# Altium PCB STM32最小系统.PcbDoc (part 2 of 4)
Units mil, origin at the board's own origin, x right, y up, seen from the top; angles counter-clockwise.
Board outline 25145 x 22655 mil, 2 copper layers (Top Layer, Bottom Layer); 72 components, 145 nets, 556 pads, 0 vias.
Unrouted connection lines stored in the file: 8.
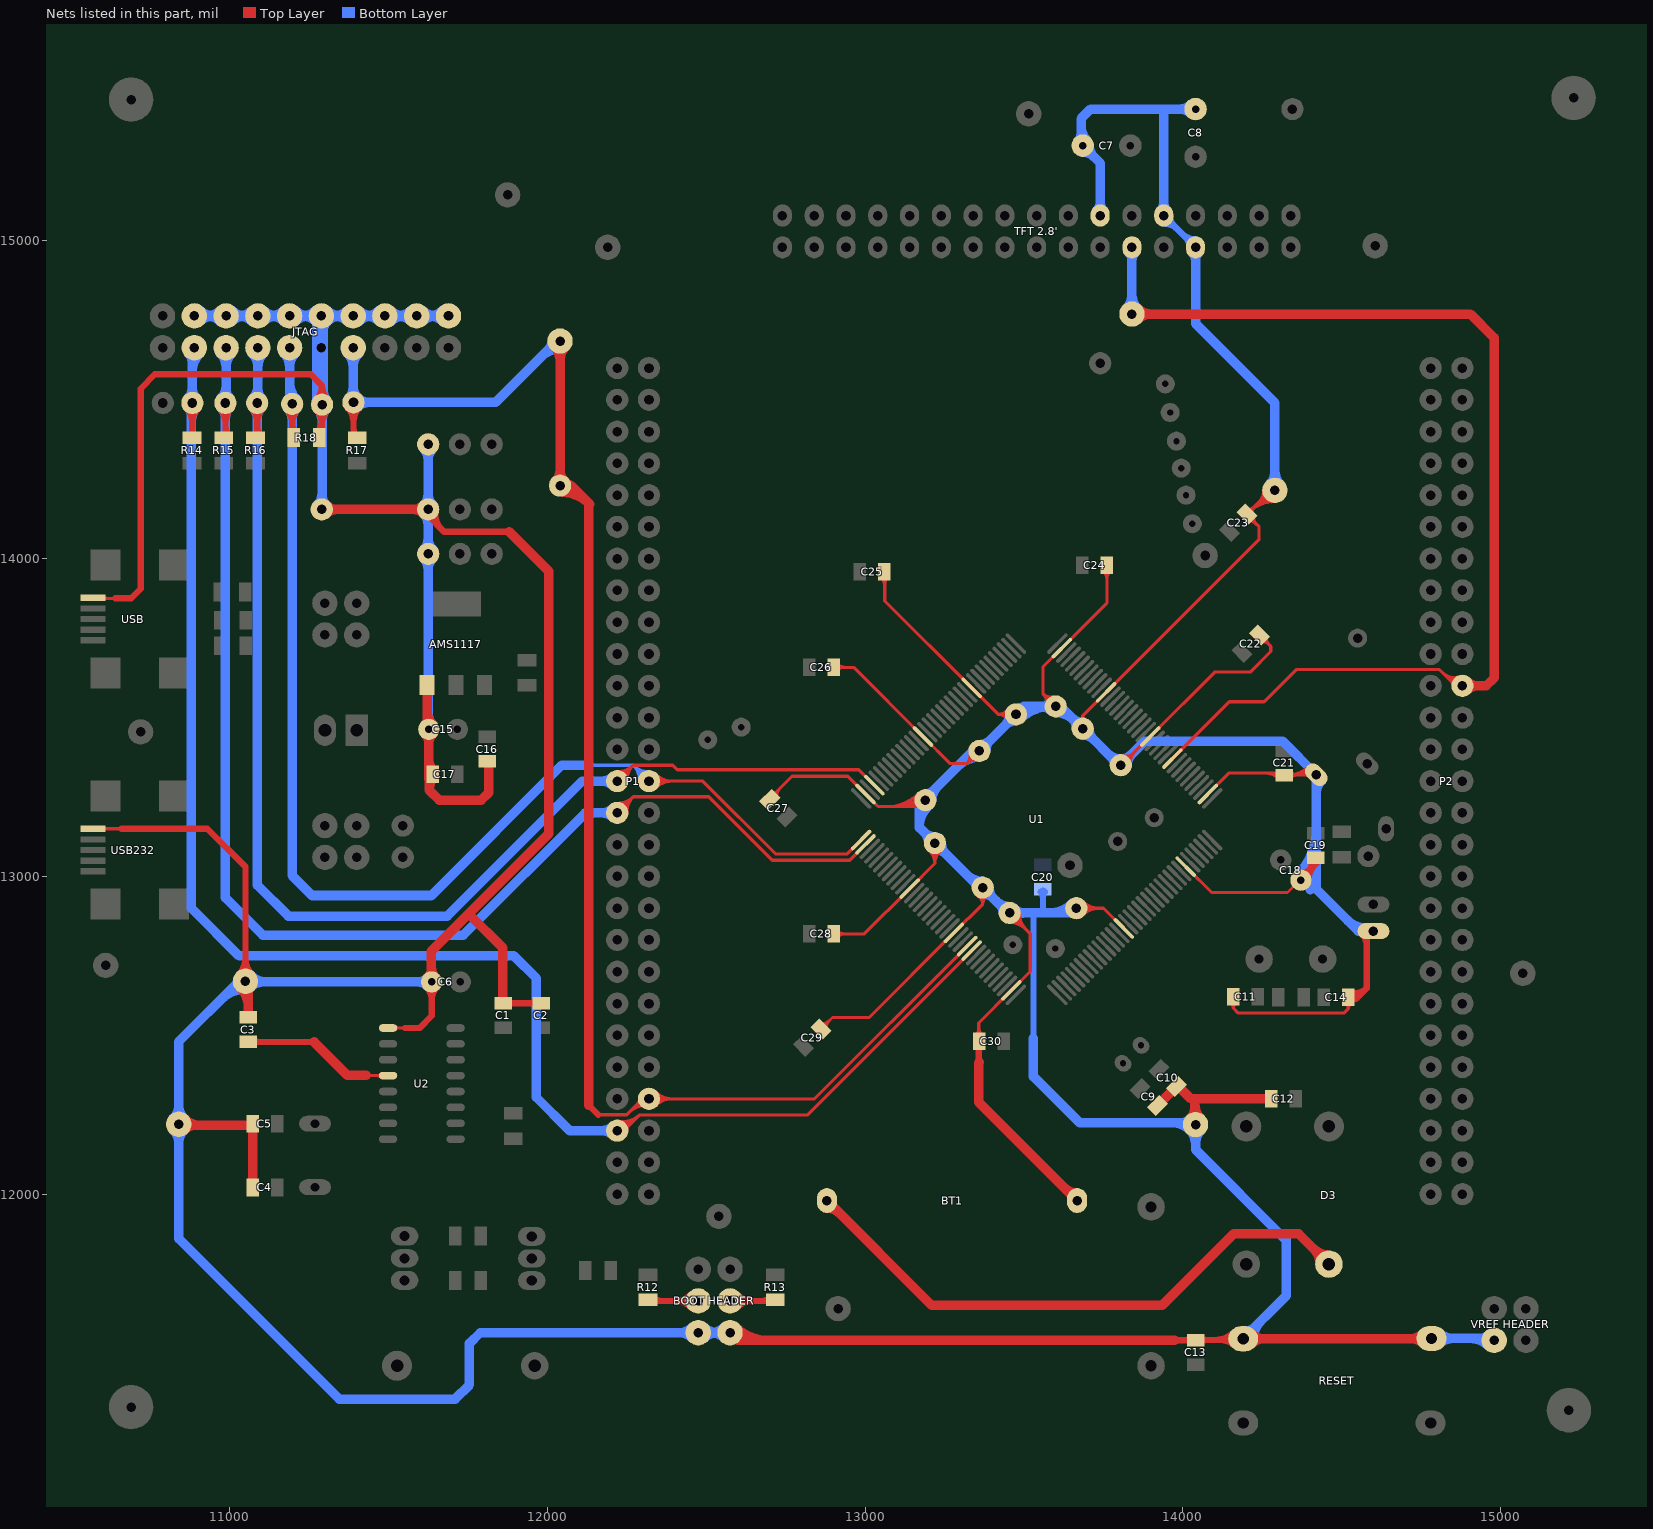
[diagram p2: the nets of this part, all layers, seen from the top]

## Nets (pads, with @x,y where several pads share a name; then routed paths per layer and width w, separated by ;. In a path a pad name is that pad's centre, name@x,y a point inside that pad or via, vN(x,y) a via of type N, cw(c..) or ccw(c..) an arc to the next point about the centre after c; other vN are vias at no path point) (continued)
GND: "BOOT HEADER.5" "BOOT HEADER.6" "TFT 2.8'.22" "TFT 2.8'.26" "TFT 2.8'.27" "VREF HEADER.4" AMS1117.1 BT1.2 C1.1 C2.1 C3.2 C4.2 C5.2 C6.2 C7.1 C8.1 C9.1 C10.1 C11.1 C12.1 C13.1 C14.1 C15.2 C16.1 C17.1 C18.2 C19.1 C20.1 C21.1 C22.1 C23.1 C24.1 C25.1 C26.1 C27.1 C28.1 C29.1 C30.1 JTAG.4 JTAG.6 JTAG.8 JTAG.10 JTAG.12 JTAG.14 JTAG.16 JTAG.18 JTAG.20 pad.4@14600,12828 pad.5@14420,13320 pad.6@11050,12670 pad.6@14040,12219 pad.8@10840,12220 pad.9@14290,14215 pad.10@11625,14015 pad.10@11625,14155 pad.10@11625,14360 pad.12@13360,13395 pad.13 pad.14 pad.15 pad.16 pad.19 pad.20 pad.21 pad.22 pad.23 R18.1 RESET.2 U1.16 U1.30 U1.38 U1.51 U1.61 U1.71 U1.83 U1.94 U1.107 U1.120 U1.130 U1.143 U2.1 USB232.5 USB.5 | length 52783.1
  Top Layer w10: USB232.5@10570,13149.93 10660.07,13149.93 10665,13145 ; USB.5@10600,13875 10640,13875 ; U2.1@11498.7,12523 11553,12523 ; 11597,12523 11600,12520 ; C27.1@12690,13250 12705,13250 12770,13315 12945.66,13315 U1.107@13001.32,13259.34 13040.66,13220 ; C29.1@12861.41,12520 12897.41,12556 13013.44,12556 U1.130@13279.71,12822.27 13370,12912.56 ; C28.1@12901,12819 12998.05,12819 U1.120@13140.51,12961.46 13220,13040.95 ; 13035.33,13225.33 13040.66,13220 ; C25.1@13074,13967.41 13062,13955.41 13062,13866.79 U1.83@13335.38,13593.41 13418.79,13510 ; U1.94@13181.71,13440.29 12964,13658 12921.41,13658 ; U1.94@13182.27,13440.29 13267.56,13355 13320,13355 ; pad.22@13220,13105 13220,13040.95 ; C30.1@13358,12463 13358,12538.66 U1.143@13460.66,12641.32 13520,12700.66 13520,12820 pad.20@13455,12885 ; pad.12@13360,13395 13320,13355 ; pad.21@13370,12965 13370,12912.56 ; pad.13@13475,13510 13418.79,13510 ; pad.14@13600,13535 13560,13575 ; pad.19@13665,12900 13750.4,12900 U1.16@13814.21,12836.19 ; BT1.2@13667,11980 BT1.2@13667.4,11980 ; pad.15@13685,13460 pad.15@13685,13465 13685,13505.95 ; C24.1@13761,13979 13761,13860.34 U1.71@13619.34,13718.68 13560,13659.34 13560,13575 ; pad.16@13787.44,13330 pad.16@13807.44,13350 ; pad.16@13805,13350 pad.16@13807.44,13350 ; 13842.44,13385 13846.22,13388.78 ; C10.1@13982,12341 C10.1@13985,12341 ; U1.30@14014,13025 U1.30@14014,13026 ; U1.30@14017,13023 14090.5,12949.5 14329.5,12949.5 C18.2@14370,12990 ; pad.6@14038,12221 pad.6@14040,12219 ; 14038,12285 14041,12288 ; U1.38@14078.68,13259.34 14144.34,13325 14313,13325 14318,13320 pad.5@14420,13320 14424,13320 pad.5@14425,13321 ; C11.1@14159,12621 14159,12586 ; C23.1@14201.41,14140 14276.41,14215 pad.9@14285,14215 ; C23.1@14207,14133 14240,14100 14240,14060.95 U1.61@13758.53,13579.49 13685,13505.95 ; C22.1@14242,13759 14277,13724 14277,13708 14212,13643 14100.44,13643 U1.51@13897.73,13440.29 13846.22,13388.78 ; C12.1@14273,12300 C12.1@14282,12291 ; C19.1@14421,13041 C19.1@14421,13061 ; 14459,12570 14429,12570 ; C14.1@14521,12619 14521,12584 ; 10611.22,13149.93 cw(c10611.22,13161.62) 10602.95,13153.35 ccw(c10611.22,13161.62) 10611.22,13149.93 ; 10611.22,13149.93 ccw(c10611.22,13138.24) 10602.95,13146.51 cw(c10611.22,13138.24) 10611.22,13149.93 ; 11532.6,12523 cw(c11532.6,12539.9) 11520.65,12527.95 ccw(c11532.6,12539.9) 11532.6,12523 ; 11532.6,12523 ccw(c11532.6,12506.1) 11520.65,12518.05 cw(c11532.6,12506.1) 11532.6,12523 ; 12886.48,12545.07 cw(c12861.41,12570.14) 12861.41,12534.68 ccw(c12861.41,12570.14) 12886.48,12545.07 ; 12886.48,12545.07 ccw(c12911.55,12520) 12876.1,12520 cw(c12911.55,12520) 12886.48,12545.07 ; 12921.41,13658 cw(c12921.41,13664.44) 12915.19,13662.78 ccw(c12921.41,13664.44) 12921.41,13658 ; 12921.41,13658 ccw(c12921.41,13650.62) 12914.58,13653.42 cw(c12921.41,13650.62) 12921.41,13658 ; 12936.45,12819 cw(c12936.45,12854.45) 12911.38,12829.38 ccw(c12936.45,12854.45) 12936.45,12819 ; 12936.45,12819 ccw(c12936.45,12783.55) 12911.38,12808.62 cw(c12936.45,12783.55) 12936.45,12819 ; 13040.66,13220 13170,13220 pad.23@13190,13240 ; pad.23@13190,13240 cw(c13141.72,13288.28) 13141.72,13220 ccw(c13141.72,13288.28) pad.23@13190,13240 ; 13220,13040.96 cw(c13273.36,13040.96) 13239.2,13081.95 ccw(c13273.36,13040.96) 13220,13040.96 ; 13220,13040.96 ccw(c13166.64,13040.96) 13200.8,13081.95 cw(c13166.64,13040.96) 13220,13040.96 ; 13220,13062.3 cw(c13255.57,13062.3) 13232.8,13089.63 ccw(c13255.57,13062.3) 13220,13062.3 ; 13220,13062.3 ccw(c13184.43,13062.3) 13207.2,13089.63 cw(c13184.43,13062.3) 13220,13062.3 ; 13320,13355 cw(c13347.1,13327.9) 13354.34,13365.54 ccw(c13347.1,13327.9) 13320,13355 ; 13320,13355 ccw(c13292.9,13382.1) 13330.54,13389.34 cw(c13292.9,13382.1) 13320,13355 ; 13333.33,13368.33 cw(c13351.4,13350.27) 13356.23,13375.36 ccw(c13351.4,13350.27) 13333.33,13368.33 ; 13333.33,13368.33 ccw(c13315.27,13386.4) 13340.36,13391.23 cw(c13315.27,13386.4) 13333.33,13368.33 ; 13370,12912.57 cw(c13400.82,12912.57) 13385.2,12939.14 ccw(c13400.82,12912.57) 13370,12912.57 ; 13370,12912.57 ccw(c13339.18,12912.57) 13354.8,12939.14 cw(c13339.18,12912.57) 13370,12912.57 ; 13418.79,13510 cw(c13418.79,13472.35) 13450.08,13493.3 ccw(c13418.79,13472.35) 13418.79,13510 ; 13418.79,13510 ccw(c13418.79,13547.65) 13450.08,13526.7 cw(c13418.79,13547.65) 13418.79,13510 ; 13437.53,13510 cw(c13437.53,13484.9) 13458.38,13498.87 ccw(c13437.53,13484.9) 13437.53,13510 ; 13437.53,13510 ccw(c13437.53,13535.1) 13458.38,13521.13 cw(c13437.53,13535.1) 13437.53,13510 ; 13489.14,12850.86 cw(c13523.28,12885) 13475,12885 ccw(c13523.28,12885) 13489.14,12850.86 ; 13489.14,12850.86 ccw(c13455,12816.72) 13455,12865 cw(c13455,12816.72) 13489.14,12850.86 ; 13506.21,12833.79 cw(c13557.43,12885) 13485,12885 ccw(c13557.43,12885) 13506.21,12833.79 ; 13506.21,12833.79 ccw(c13455,12782.57) 13455,12855 cw(c13455,12782.57) 13506.21,12833.79 ; 13560,13575 cw(c13532.9,13547.9) 13570.54,13540.66 ccw(c13532.9,13547.9) 13560,13575 ; 13560,13575 ccw(c13587.1,13602.1) 13594.34,13564.46 cw(c13587.1,13602.1) 13560,13575 ; 13573.33,13561.67 cw(c13555.27,13543.6) 13580.36,13538.77 ccw(c13555.27,13543.6) 13573.33,13561.67 ; 13573.33,13561.67 ccw(c13591.4,13579.73) 13596.23,13554.64 cw(c13591.4,13579.73) 13573.33,13561.67 ; 13685,13505.95 cw(c13672.05,13505.95) 13675.95,13493.6 ccw(c13672.05,13505.95) 13685,13505.95 ; 13685,13505.95 ccw(c13697.95,13505.95) 13694.05,13493.6 cw(c13697.95,13505.95) 13685,13505.95 ; 13713.28,12900 cw(c13713.28,12948.28) 13679.14,12914.14 ccw(c13713.28,12948.28) 13713.28,12900 ; 13713.28,12900 ccw(c13713.28,12851.72) 13679.14,12885.86 cw(c13713.28,12851.72) 13713.28,12900 ; 13737.43,12900 cw(c13737.43,12972.43) 13686.21,12921.21 ccw(c13737.43,12972.43) 13737.43,12900 ; 13737.43,12900 ccw(c13737.43,12827.57) 13686.21,12878.79 cw(c13737.43,12827.57) 13737.43,12900 ; 13761,13935.67 cw(c13796.45,13935.67) 13771.38,13960.74 ccw(c13796.45,13935.67) 13761,13935.67 ; 13761,13935.67 ccw(c13725.55,13935.67) 13750.62,13960.74 cw(c13725.55,13935.67) 13761,13935.67 ; pad.16@13807.44,13350 13846.22,13388.78 ; 13846.22,13388.78 cw(c13820.55,13414.44) 13812.04,13379.16 ccw(c13820.55,13414.44) 13846.22,13388.78 ; 13846.22,13388.78 ccw(c13875.01,13359.99) 13834.7,13354.24 cw(c13875.01,13359.99) 13846.22,13388.78 ; 14159,12586 cw(c14176.71,12586) 14167.03,12600.83 ccw(c14176.71,12586) 14159,12586 ; 14159,12586 ccw(c14141.29,12586) 14150.97,12600.83 cw(c14141.29,12586) 14159,12586 ; 14159,12586 14175,12570 14429,12570 ; 14226.48,14165.07 cw(c14201.41,14190.14) 14201.41,14154.68 ccw(c14201.41,14190.14) 14226.48,14165.07 ; 14226.48,14165.07 ccw(c14251.55,14140) 14216.1,14140 cw(c14251.55,14140) 14226.48,14165.07 ; 14429,12570 14507,12570 14521,12584 ; 14521,12584 cw(c14538.71,12584) 14529.03,12598.83 ccw(c14538.71,12584) 14521,12584 ; 14521,12584 ccw(c14503.29,12584) 14512.97,12598.83 cw(c14503.29,12584) 14521,12584 ; USB.5@10602.95,13880.35 ccw(c10615.88,13893.28) 10615.88,13875 cw(c10615.88,13893.28) USB.5@10602.95,13880.35 ; C27.1@12705.57,13261.67 ccw(c12705.57,13288.46) 12724.52,13269.52 cw(c12705.57,13288.46) C27.1@12705.57,13261.67 ; C27.1@12720.25,13246.98 cw(c12764.36,13246.98) 12733.17,13278.17 ccw(c12764.36,13246.98) C27.1@12720.25,13246.98 ; C26.1@12911.38,13648.62 cw(c12934.04,13625.96) 12934.04,13658 ccw(c12934.04,13625.96) C26.1@12911.38,13648.62 ; C26.1@12911.38,13669.38 ccw(c12938.87,13696.87) 12938.87,13658 cw(c12938.87,13696.87) C26.1@12911.38,13669.38 ; C25.1@13050.62,13940.74 cw(c13023.13,13913.26) 13062,13913.26 ccw(c13023.13,13913.26) C25.1@13050.62,13940.74 ; 13062,13918.09 cw(c13094.04,13918.09) 13071.38,13940.74 ccw(c13094.04,13918.09) 13062,13918.09 ; 13069.29,13220 ccw(c13069.29,13360.71) 13168.79,13261.21 cw(c13069.29,13360.71) 13069.29,13220 ; 13093.43,13220 ccw(c13093.43,13336.57) 13175.86,13254.14 cw(c13093.43,13336.57) 13093.43,13220 ; 13117.57,13220 ccw(c13117.57,13312.43) 13182.93,13247.07 cw(c13117.57,13312.43) 13117.57,13220 ; C30.1@13348.62,12499.26 ccw(c13325.96,12521.91) 13358,12521.91 cw(c13325.96,12521.91) C30.1@13348.62,12499.26 ; 13358,12526.74 ccw(c13396.87,12526.74) 13369.38,12499.26 cw(c13396.87,12526.74) 13358,12526.74 ; pad.16@13809.69,13369.44 ccw(c13815.65,13394.13) 13833.61,13376.17 cw(c13815.65,13394.13) pad.16@13809.69,13369.44 ; pad.16@13824.8,13352.83 cw(c13850.25,13356.46) 13832.07,13374.64 ccw(c13850.25,13356.46) pad.16@13824.8,13352.83 ; C23.1@14206.98,14119.75 cw(c14206.98,14087.71) 14229.64,14110.36 ccw(c14206.98,14087.71) C23.1@14206.98,14119.75 ; C23.1@14207.06,14145.64 cw(c14290,14062.7) 14290,14180 ccw(c14290,14062.7) C23.1@14207.06,14145.64 ; C23.1@14221.67,14134.43 ccw(c14260.53,14134.43) 14233.05,14106.95 cw(c14260.53,14134.43) C23.1@14221.67,14134.43 ; 14224.13,14162.72 cw(c14290,14096.85) 14290,14190 ccw(c14290,14096.85) 14224.13,14162.72 ; 14239.86,14178.44 ccw(c14203.3,14215) 14255,14215 cw(c14203.3,14215) 14239.86,14178.44 ; 14241.2,14179.79 cw(c14290,14130.99) 14290,14200 ccw(c14290,14130.99) 14241.2,14179.79 ; C22.1@14246.98,13739.75 cw(c14246.98,13705.29) 14271.34,13729.66 ccw(c14246.98,13705.29) C22.1@14246.98,13739.75 ; 14261.19,13325 cw(c14261.19,13269.06) 14300.74,13308.62 ccw(c14261.19,13269.06) 14261.19,13325 ; C22.1@14261.67,13754.43 ccw(c14298.12,13754.43) 14272.34,13728.66 cw(c14298.12,13754.43) C22.1@14261.67,13754.43 ; 14285.33,13325 cw(c14285.33,13293.2) 14307.81,13315.69 ccw(c14285.33,13293.2) 14285.33,13325 ; 14290.16,13325 ccw(c14290.16,13339.97) 14300.74,13329.38 cw(c14290.16,13339.97) 14290.16,13325 ; C21.1@14335.5,13320 ccw(c14335.5,13404.5) 14395.25,13344.75 cw(c14335.5,13404.5) C21.1@14335.5,13320 ; C21.1@14337.26,13308.62 cw(c14364.74,13281.13) 14364.74,13320 ccw(c14364.74,13281.13) C21.1@14337.26,13308.62 ; C21.1@14337.26,13329.38 ccw(c14359.91,13352.04) 14359.91,13320 cw(c14359.91,13352.04) C21.1@14337.26,13329.38 ; 14359.64,13320 ccw(c14359.64,13380.36) 14402.32,13337.68 cw(c14359.64,13380.36) 14359.64,13320 ; 14383.79,13320 ccw(c14383.79,13356.21) 14409.39,13330.61 cw(c14383.79,13356.21) 14383.79,13320 ; 14386.72,13320 cw(c14386.72,13307.93) 14395.25,13316.46 ccw(c14386.72,13307.93) 14386.72,13320
  Top Layer w20: 10640,13875 10690,13875 10720,13905 10720,14535 10765,14580 11255,14580 11291,14544 ; 10660.07,13149.93 10930.07,13149.93 11050,13030 pad.6@11050,12675 ; pad.8@10841,12224 10841,12221 pad.8@10852.09,12221 ; C4.2@11072.83,12045 11072.91,12044.91 C5.2@11072.91,12221 ; R18.1@11282,14381 11290,14389 pad.13@11290,14485 ; pad.13@11290,14155 pad.13@11290,14160 ; pad.13@11291,14485 11291,14544 ; 11553,12523 11597,12523 ; 11598,12523 11636,12561 C6.2@11636,12667 ; C15.2@11621.45,13470.55 C15.2@11626,13466 ; pad.10@11625,14155 11625,14135 11675,14085 11880,14085 ; C6.2@11636,12668 C6.2@11636,12675 ; C16.1@11811,13362 C16.1@11815,13358 ; C1.1@11861,12601 C2.1@11981,12601 11984,12601 C2.1@11985,12602 ; 13358,12413 C30.1@13358,12463 ; 13739,15101 13740,15100 ; 13975,11540 C13.1@14040,11540 ; C13.1@14041,11541 RESET.2@14183,11541 ; C18.2@14380,13000 C19.1@14421,13041 ; C14.1@14522,12618 14549,12618 ; pad.4@14579,12825 14579,12648 ; 11050,12742.43 cw(c10977.57,12742.43) 11028.79,12691.21 ccw(c10977.57,12742.43) 11050,12742.43 ; 11050,12742.43 ccw(c11122.43,12742.43) 11071.21,12691.21 cw(c11122.43,12742.43) 11050,12742.43 ; 11072.91,12052.26 cw(c11049.53,12052.26) 11066.06,12035.72 ccw(c11049.53,12052.26) 11072.91,12052.26 ; 11072.91,12052.26 ccw(c11096.29,12052.26) 11079.76,12035.72 cw(c11096.29,12052.26) 11072.91,12052.26 ; 11072.91,12189.74 cw(c11096.29,12189.74) 11079.76,12206.28 ccw(c11096.29,12189.74) 11072.91,12189.74 ; 11072.91,12189.74 ccw(c11049.53,12189.74) 11066.06,12206.28 cw(c11049.53,12189.74) 11072.91,12189.74 ; 11291,14544 cw(c11233.89,14544) 11273.61,14502.96 ccw(c11233.89,14544) 11291,14544 ; 11291,14544 ccw(c11348.11,14544) 11308.39,14502.96 cw(c11348.11,14544) 11291,14544 ; 11636,12611.35 cw(c11692.65,12611.35) 11652.59,12651.41 ccw(c11692.65,12611.35) 11636,12611.35 ; 11636,12611.35 ccw(c11579.35,12611.35) 11619.41,12651.41 cw(c11579.35,12611.35) 11636,12611.35 ; 11892.26,12601 cw(c11892.26,12624.38) 11875.72,12607.85 ccw(c11892.26,12624.38) 11892.26,12601 ; 11892.26,12601 ccw(c11892.26,12577.62) 11875.72,12594.15 cw(c11892.26,12577.62) 11892.26,12601 ; 11949.74,12601 cw(c11949.74,12577.62) 11966.28,12594.15 ccw(c11949.74,12577.62) 11949.74,12601 ; 11949.74,12601 ccw(c11949.74,12624.38) 11966.28,12607.85 cw(c11949.74,12624.38) 11949.74,12601 ; 14072.26,11541 cw(c14072.26,11564.38) 14055.72,11547.85 ccw(c14072.26,11564.38) 14072.26,11541 ; 14072.26,11541 ccw(c14072.26,11517.62) 14055.72,11534.15 cw(c14072.26,11517.62) 14072.26,11541 ; 14549,12618 cw(c14538.41,12628.59) 14527.84,12617.98 ccw(c14538.41,12628.59) 14549,12618 ; 14549,12618 14579,12648 ; 14579,12648 cw(c14542.25,12684.74) 14524.34,12635.97 ccw(c14542.25,12684.74) 14579,12648 ; pad.13@11273.32,14467.32 cw(c11233.06,14427.06) 11290,14427.06 ccw(c11233.06,14427.06) pad.13@11273.32,14467.32 ; R18.1@11275.15,14397.69 ccw(c11239.3,14433.54) 11290,14433.54 cw(c11239.3,14433.54) R18.1@11275.15,14397.69 ; 11290,14422.23 cw(c11353.77,14422.23) 11308.68,14467.32 ccw(c11353.77,14422.23) 11290,14422.23 ; pad.10@11629.87,14153.88 ccw(c11664.77,14145.87) 11639.45,14120.55 cw(c11664.77,14145.87) pad.10@11629.87,14153.88 ; pad.10@11649.37,14149.4 ccw(c11706.32,14136.32) 11665,14095 cw(c11706.32,14136.32) pad.10@11649.37,14149.4 ; C30.1@13352.15,12466.28 cw(c13338.03,12452.16) 13358,12452.16 ccw(c13338.03,12452.16) C30.1@13352.15,12466.28 ; 13358,12447.33 cw(c13384.8,12447.33) 13365.85,12466.28 ccw(c13384.8,12447.33) 13358,12447.33 ; 14007.33,11540 ccw(c14007.33,11566.8) 14026.28,11547.85 cw(c14007.33,11566.8) 14007.33,11540 ; 14012.16,11540 cw(c14012.16,11520.03) 14026.28,11534.15 ccw(c14012.16,11520.03) 14012.16,11540 ; 14101.56,11541 ccw(c14101.56,11625.56) 14161.36,11565.77 cw(c14101.56,11625.56) 14101.56,11541 ; 14120.88,11541 cw(c14120.88,11483.75) 14161.36,11524.23 ccw(c14120.88,11483.75) 14120.88,11541 ; C18.2@14371.82,13011.64 ccw(c14371.82,13059.51) 14405.66,13025.66 cw(c14371.82,13059.51) C18.2@14371.82,13011.64 ; 14393.94,13013.94 ccw(c14367.09,13040.79) 14402.18,13055.3 cw(c14367.09,13040.79) 14393.94,13013.94 ; C18.2@14395.28,12988.18 cw(c14460.72,12988.18) 14414.45,13034.45 ccw(c14460.72,12988.18) C18.2@14395.28,12988.18 ; 14415.12,13035.12 ccw(c14397.05,13053.18) 14420.66,13062.94 cw(c14397.05,13053.18) 14415.12,13035.12 ; C14.1@14517.44,12617.19 ccw(c14530.37,12652.38) 14556.87,12625.87 cw(c14530.37,12652.38) C14.1@14517.44,12617.19 ; C14.1@14527.85,12612.15 cw(c14541.97,12598.03) 14541.97,12618 ccw(c14541.97,12598.03) C14.1@14527.85,12612.15 ; C14.1@14527.85,12625.85 ccw(c14546.8,12644.8) 14546.8,12618 cw(c14546.8,12644.8) C14.1@14527.85,12625.85 ; pad.4@14564.39,12817.39 cw(c14529.13,12782.13) 14579,12782.13 ccw(c14529.13,12782.13) pad.4@14564.39,12817.39 ; 14579,12801.44 cw(c14601.56,12801.44) 14585.61,12817.39 ccw(c14601.56,12801.44) 14579,12801.44
  Top Layer w30: pad.8@10852.09,12217.09 11072.91,12217.09 C4.2@11072.91,12021 ; C3.2@11059,12556.09 11059,12669 pad.6@11060,12670 ; pad.13@11290,14155 pad.10@11625,14155 ; C15.2@11621.45,13470.55 AMS1117.1@11621.45,13603 ; C17.1@11627,13306 C15.2@11627,13463 ; C17.1@11629,13313 11629,13271 11660,13240 11792,13240 11815,13263 C16.1@11815,13358 ; C6.2@11635,12675 11635,12765 12005,13135 12005,13960 11880,14085 ; 11752.5,12882.5 11860,12775 C1.1@11860,12605 ; 12575,11564 12599,11540 13975,11540 ; 13360,12415 13358,12413 13358,12289 BT1.2@13667,11980 ; C9.1@13920,12278.59 C10.1@13982,12340.59 ; C10.1@13985,12341 14026,12300 C12.1@14273,12300 ; pad.6@14038,12221 14038,12285 ; C13.1@14040,11540 C13.1@14041,11541 ; RESET.2@14183,11541 RESET.2@14190,11548 ; RESET.2@14190,11545 14780,11545 RESET.2@14782,11547 ; 11338.28,14155 cw(c11338.28,14203.28) 11304.14,14169.14 ccw(c11338.28,14203.28) 11338.28,14155 ; 11338.28,14155 ccw(c11338.28,14106.72) 11304.14,14140.86 cw(c11338.28,14106.72) 11338.28,14155 ; 11576.72,14155 cw(c11576.72,14106.72) 11610.86,14140.86 ccw(c11576.72,14106.72) 11576.72,14155 ; 11576.72,14155 ccw(c11576.72,14203.28) 11610.86,14169.14 cw(c11576.72,14203.28) 11576.72,14155 ; 11627,13418.42 cw(c11671.58,13418.42) 11640.06,13449.94 ccw(c11671.58,13418.42) 11627,13418.42 ; 11627,13418.42 ccw(c11582.42,13418.42) 11613.94,13449.94 cw(c11582.42,13418.42) 11627,13418.42 ; 14256.71,11545 cw(c14256.71,11603.83) 14215.11,11562.23 ccw(c14256.71,11603.83) 14256.71,11545 ; 14256.71,11545 ccw(c14256.71,11486.17) 14215.11,11527.77 cw(c14256.71,11486.17) 14256.71,11545 ; pad.8@10857.68,12202.32 cw(c10893.32,12166.68) 10893.32,12217.09 ccw(c10893.32,12166.68) pad.8@10857.68,12202.32 ; pad.8@10857.68,12237.68 ccw(c10907.39,12287.39) 10907.39,12217.09 cw(c10907.39,12287.39) pad.8@10857.68,12237.68 ; pad.6@11032.32,12652.32 cw(c10967.92,12587.92) 11059,12587.92 ccw(c10967.92,12587.92) pad.6@11032.32,12652.32 ; 11052.16,12217.09 ccw(c11052.16,12241.76) 11069.6,12224.31 cw(c11052.16,12241.76) 11052.16,12217.09 ; 11621.45,13520.98 ccw(c11684.98,13520.98) 11640.06,13476.06 cw(c11684.98,13520.98) 11621.45,13520.98 ; C6.2@11622.94,12681.06 ccw(c11593.84,12710.16) 11635,12710.16 cw(c11593.84,12710.16) C6.2@11622.94,12681.06 ; 11627,13369.16 ccw(c11679.28,13369.16) 11642.31,13332.19 cw(c11679.28,13369.16) 11627,13369.16 ; 11629,13277.67 cw(c11674.45,13277.67) 11642.31,13309.81 ccw(c11674.45,13277.67) 11629,13277.67 ; 11635,12714.99 ccw(c11682.99,12714.99) 11649.06,12681.06 cw(c11682.99,12714.99) 11635,12714.99 ; 11815,13341.34 cw(c11839.54,13341.34) 11822.19,13358.69 ccw(c11839.54,13341.34) 11815,13341.34 ; 12571.46,11560.46 ccw(c12620.87,11609.87) 12620.87,11540 cw(c12620.87,11609.87) 12571.46,11560.46 ; 12592.68,11581.68 ccw(c12693.3,11682.3) 12693.3,11540 cw(c12693.3,11682.3) 12592.68,11581.68 ; 13625.11,12021.89 ccw(c13667.4,12064.17) 13667.4,12004.37 cw(c13667.4,12064.17) 13625.11,12021.89 ; pad.6@14022.32,12236.68 ccw(c13984.47,12274.53) 14038,12274.53 cw(c13984.47,12274.53) pad.6@14022.32,12236.68 ; 14038,12284.18 ccw(c14105.18,12284.18) 14057.68,12236.68 cw(c14105.18,12284.18) 14038,12284.18 ; 14713.63,11545 ccw(c14713.63,11607.6) 14757.89,11563.33 cw(c14713.63,11607.6) 14713.63,11545 ; 14718.95,11545 cw(c14718.95,11489.93) 14757.89,11528.87 ccw(c14718.95,11489.93) 14718.95,11545
  Bottom Layer w10: JTAG.12@11252,14764 JTAG.12@11252,14767 ; pad.13@11285,14487 11287,14485 pad.13@11290,14485 ; 14020,15000 14040,15000 ; C18.2@14371.82,12988.18 C18.2@14376.82,12988.18 ; 14419.18,12988.18 14420,12989
  Bottom Layer w20: JTAG.4@10888,14765 JTAG.4@10889,14764 ; 13530,12490 13530,12885 ; 13560,12885 C20.1@13560,12955 ; 13940,15080 14020,15000 ; pad.5@14420,13314 pad.5@14426,13320 ; pad.4@14573,12828 pad.4@14600,12828 ; C20.1@13552.15,12952.15 cw(c13533.2,12933.2) 13560,12933.2 ccw(c13533.2,12933.2) C20.1@13552.15,12952.15 ; 13560,12938.03 cw(c13579.97,12938.03) 13565.85,12952.15 ccw(c13579.97,12938.03) 13560,12938.03 ; 13940,15055 cw(c13940,14994.64) 13982.68,15037.32 ccw(c13940,14994.64) 13940,15055 ; 13960,15075 ccw(c13996.21,15075) 13970.61,15049.39 cw(c13996.21,15075) 13960,15075 ; 13997.32,15022.68 ccw(c14040,15065.36) 14040,15005 cw(c14040,15065.36) 13997.32,15022.68 ; 14009.39,15010.61 cw(c13983.79,14985) 14020,14985 ccw(c13983.79,14985) 14009.39,15010.61
  Bottom Layer w30: JTAG.4@10889,14764 JTAG.6@10989,14764 JTAG.8@11089,14764 JTAG.10@11189,14764 11252,14764 JTAG.12@11289,14764 JTAG.14@11389,14764 JTAG.16@11489,14764 JTAG.18@11589,14764 JTAG.20@11689,14764 ; pad.6@11020,12660 10840,12480 pad.8@10840,12220 10840,11860 11345,11355 11710,11355 11755,11400 11755,11530 11789,11564 12475,11564 12574,11564 ; pad.6@11050,12670 11052,12668 C6.2@11636,12668 ; pad.13@11291,14165 pad.13@11291,14485 ; C15.2@11625,13465 pad.10@11625,14015 pad.10@11625,14155 pad.10@11625,14360 ; pad.21@13365,12965 13360,12965 pad.22@13220,13105 13170,13155 13170,13225 13340,13395 pad.12@13360,13395 pad.13@13475,13510 13500,13535 pad.14@13600,13535 13615,13535 pad.15@13685,13465 13802.5,13347.5 13880,13425 14315,13425 pad.5@14420,13320 ; pad.21@13370,12965 13450,12885 pad.20@13455,12885 13530,12885 13560,12885 13650,12885 pad.19@13665,12900 ; 13530,12490 13530,12370 13675,12225 pad.6@14040,12225 ; 13740,15105 13740,15245 13680,15305 13680,15385 13710,15415 13940,15415 ; 13940,15080 13940,15415 ; pad.6@14040,12219 14040,12140 14325,11855 14325,11680 RESET.2@14190,11545 ; 14040,14980 14040,14740 14290,14490 pad.9@14290,14215 ; C8.1@14040,15415 13940,15415 ; C18.2@14375,12990 14376.82,12988.18 14380,12985 14420,12985 ; pad.5@14420,13314 14420,12989 14420,12985 ; pad.4@14573,12828 14552,12828 14420,12960 14420,12985 ; RESET.2@14783,11546.1 14975.9,11546.1 14980,11542 ; 10840,12159.64 cw(c10900.36,12159.64) 10857.68,12202.32 ccw(c10900.36,12159.64) 10840,12159.64 ; 10840,12159.64 ccw(c10779.64,12159.64) 10822.32,12202.32 cw(c10779.64,12159.64) 10840,12159.64 ; 10840,12280.36 cw(c10779.64,12280.36) 10822.32,12237.68 ccw(c10779.64,12280.36) 10840,12280.36 ; 10840,12280.36 ccw(c10900.36,12280.36) 10857.68,12237.68 cw(c10900.36,12280.36) 10840,12280.36 ; JTAG.4@10928.64,14764 cw(c10928.64,14703.64) 10971.32,14746.32 ccw(c10928.64,14703.64) JTAG.4@10928.64,14764 ; JTAG.4@10928.64,14764 ccw(c10928.64,14824.36) 10971.32,14781.68 cw(c10928.64,14824.36) JTAG.4@10928.64,14764 ; JTAG.6@10949.36,14764 cw(c10949.36,14824.36) 10906.68,14781.68 ccw(c10949.36,14824.36) JTAG.6@10949.36,14764 ; JTAG.6@10949.36,14764 ccw(c10949.36,14703.64) 10906.68,14746.32 cw(c10949.36,14703.64) JTAG.6@10949.36,14764 ; JTAG.6@11028.64,14764 cw(c11028.64,14703.64) 11071.32,14746.32 ccw(c11028.64,14703.64) JTAG.6@11028.64,14764 ; JTAG.6@11028.64,14764 ccw(c11028.64,14824.36) 11071.32,14781.68 cw(c11028.64,14824.36) JTAG.6@11028.64,14764 ; JTAG.8@11049.36,14764 cw(c11049.36,14824.36) 11006.68,14781.68 ccw(c11049.36,14824.36) JTAG.8@11049.36,14764 ; JTAG.8@11049.36,14764 ccw(c11049.36,14703.64) 11006.68,14746.32 cw(c11049.36,14703.64) JTAG.8@11049.36,14764 ; JTAG.8@11128.64,14764 cw(c11128.64,14703.64) 11171.32,14746.32 ccw(c11128.64,14703.64) JTAG.8@11128.64,14764 ; JTAG.8@11128.64,14764 ccw(c11128.64,14824.36) 11171.32,14781.68 cw(c11128.64,14824.36) JTAG.8@11128.64,14764 ; JTAG.10@11149.36,14764 cw(c11149.36,14824.36) 11106.68,14781.68 ccw(c11149.36,14824.36) JTAG.10@11149.36,14764 ; JTAG.10@11149.36,14764 ccw(c11149.36,14703.64) 11106.68,14746.32 cw(c11149.36,14703.64) JTAG.10@11149.36,14764 ; JTAG.10@11228.64,14764 cw(c11228.64,14703.64) 11271.32,14746.32 ccw(c11228.64,14703.64) JTAG.10@11228.64,14764 ; JTAG.10@11228.64,14764 ccw(c11228.64,14824.36) 11271.32,14781.68 cw(c11228.64,14824.36) JTAG.10@11228.64,14764 ; JTAG.12@11249.36,14764 cw(c11249.36,14824.36) 11206.68,14781.68 ccw(c11249.36,14824.36) JTAG.12@11249.36,14764 ; JTAG.12@11249.36,14764 ccw(c11249.36,14703.64) 11206.68,14746.32 cw(c11249.36,14703.64) JTAG.12@11249.36,14764 ; 11291,14436.72 cw(c11339.28,14436.72) 11305.14,14470.86 ccw(c11339.28,14436.72) 11291,14436.72 ; 11291,14436.72 ccw(c11242.72,14436.72) 11276.86,14470.86 cw(c11242.72,14436.72) 11291,14436.72 ; JTAG.12@11328.64,14764 cw(c11328.64,14703.64) 11371.32,14746.32 ccw(c11328.64,14703.64) JTAG.12@11328.64,14764 ; JTAG.12@11328.64,14764 ccw(c11328.64,14824.36) 11371.32,14781.68 cw(c11328.64,14824.36) JTAG.12@11328.64,14764 ; JTAG.14@11349.36,14764 cw(c11349.36,14824.36) 11306.68,14781.68 ccw(c11349.36,14824.36) JTAG.14@11349.36,14764 ; JTAG.14@11349.36,14764 ccw(c11349.36,14703.64) 11306.68,14746.32 cw(c11349.36,14703.64) JTAG.14@11349.36,14764 ; JTAG.14@11428.64,14764 cw(c11428.64,14703.64) 11471.32,14746.32 ccw(c11428.64,14703.64) JTAG.14@11428.64,14764 ; JTAG.14@11428.64,14764 ccw(c11428.64,14824.36) 11471.32,14781.68 cw(c11428.64,14824.36) JTAG.14@11428.64,14764 ; JTAG.16@11449.36,14764 cw(c11449.36,14824.36) 11406.68,14781.68 ccw(c11449.36,14824.36) JTAG.16@11449.36,14764 ; JTAG.16@11449.36,14764 ccw(c11449.36,14703.64) 11406.68,14746.32 cw(c11449.36,14703.64) JTAG.16@11449.36,14764 ; JTAG.16@11528.64,14764 cw(c11528.64,14703.64) 11571.32,14746.32 ccw(c11528.64,14703.64) JTAG.16@11528.64,14764 ; JTAG.16@11528.64,14764 ccw(c11528.64,14824.36) 11571.32,14781.68 cw(c11528.64,14824.36) JTAG.16@11528.64,14764 ; JTAG.18@11549.36,14764 cw(c11549.36,14824.36) 11506.68,14781.68 ccw(c11549.36,14824.36) JTAG.18@11549.36,14764 ; JTAG.18@11549.36,14764 ccw(c11549.36,14703.64) 11506.68,14746.32 cw(c11549.36,14703.64) JTAG.18@11549.36,14764 ; 11591.42,12668 cw(c11591.42,12623.42) 11622.94,12654.94 ccw(c11591.42,12623.42) 11591.42,12668 ; 11591.42,12668 ccw(c11591.42,12712.58) 11622.94,12681.06 cw(c11591.42,12712.58) 11591.42,12668 ; 11625,13966.72 cw(c11673.28,13966.72) 11639.14,14000.86 ccw(c11673.28,13966.72) 11625,13966.72 ; 11625,13966.72 ccw(c11576.72,13966.72) 11610.86,14000.86 cw(c11576.72,13966.72) 11625,13966.72 ; 11625,14063.28 cw(c11576.72,14063.28) 11610.86,14029.14 ccw(c11576.72,14063.28) 11625,14063.28 ; 11625,14063.28 ccw(c11673.28,14063.28) 11639.14,14029.14 cw(c11673.28,14063.28) 11625,14063.28 ; 11625,14106.72 cw(c11673.28,14106.72) 11639.14,14140.86 ccw(c11673.28,14106.72) 11625,14106.72 ; 11625,14106.72 ccw(c11576.72,14106.72) 11610.86,14140.86 cw(c11576.72,14106.72) 11625,14106.72 ; 11625,14203.28 cw(c11576.72,14203.28) 11610.86,14169.14 ccw(c11576.72,14203.28) 11625,14203.28 ; 11625,14203.28 ccw(c11673.28,14203.28) 11639.14,14169.14 cw(c11673.28,14203.28) 11625,14203.28 ; 11625,14311.72 cw(c11673.28,14311.72) 11639.14,14345.86 ccw(c11673.28,14311.72) 11625,14311.72 ; 11625,14311.72 ccw(c11576.72,14311.72) 11610.86,14345.86 cw(c11576.72,14311.72) 11625,14311.72 ; JTAG.18@11628.64,14764 cw(c11628.64,14703.64) 11671.32,14746.32 ccw(c11628.64,14703.64) JTAG.18@11628.64,14764 ; JTAG.18@11628.64,14764 ccw(c11628.64,14824.36) 11671.32,14781.68 cw(c11628.64,14824.36) JTAG.18@11628.64,14764 ; JTAG.20@11649.36,14764 cw(c11649.36,14824.36) 11606.68,14781.68 ccw(c11649.36,14824.36) JTAG.20@11649.36,14764 ; JTAG.20@11649.36,14764 ccw(c11649.36,14703.64) 11606.68,14746.32 cw(c11649.36,14703.64) JTAG.20@11649.36,14764 ; 12414.64,11564 cw(c12414.64,11503.64) 12457.32,11546.32 ccw(c12414.64,11503.64) 12414.64,11564 ; 12414.64,11564 ccw(c12414.64,11624.36) 12457.32,11581.68 cw(c12414.64,11624.36) 12414.64,11564 ; 12514.64,11564 cw(c12514.64,11503.64) 12557.32,11546.32 ccw(c12514.64,11503.64) 12514.64,11564 ; 12514.64,11564 ccw(c12514.64,11624.36) 12557.32,11581.68 cw(c12514.64,11624.36) 12514.64,11564 ; 12535.36,11564 cw(c12535.36,11624.36) 12492.68,11581.68 ccw(c12535.36,11624.36) 12535.36,11564 ; 12535.36,11564 ccw(c12535.36,11503.64) 12492.68,11546.32 cw(c12535.36,11503.64) 12535.36,11564 ; 13185.86,13139.14 cw(c13151.72,13105) 13200,13105 ccw(c13151.72,13105) 13185.86,13139.14 ; 13185.86,13139.14 ccw(c13220,13173.28) 13220,13125 cw(c13220,13173.28) 13185.86,13139.14 ; 13254.14,13070.86 cw(c13288.28,13105) 13240,13105 ccw(c13288.28,13105) 13254.14,13070.86 ; 13254.14,13070.86 ccw(c13220,13036.72) 13220,13085 cw(c13220,13036.72) 13254.14,13070.86 ; 13394.14,13429.14 cw(c13360,13463.28) 13360,13415 ccw(c13360,13463.28) 13394.14,13429.14 ; 13394.14,13429.14 ccw(c13428.28,13395) 13380,13395 cw(c13428.28,13395) 13394.14,13429.14 ; 13404.14,12930.86 cw(c13438.28,12965) 13390,12965 ccw(c13438.28,12965) 13404.14,12930.86 ; 13404.14,12930.86 ccw(c13370,12896.72) 13370,12945 cw(c13370,12896.72) 13404.14,12930.86 ; 13440.86,13475.86 cw(c13475,13441.72) 13475,13490 ccw(c13475,13441.72) 13440.86,13475.86 ; 13440.86,13475.86 ccw(c13406.72,13510) 13455,13510 cw(c13406.72,13510) 13440.86,13475.86 ; 13503.28,12885 cw(c13503.28,12933.28) 13469.14,12899.14 ccw(c13503.28,12933.28) 13503.28,12885 ; 13503.28,12885 ccw(c13503.28,12836.72) 13469.14,12870.86 cw(c13503.28,12836.72) 13503.28,12885 ; 13551.72,13535 cw(c13551.72,13486.72) 13585.86,13520.86 ccw(c13551.72,13486.72) 13551.72,13535 ; 13551.72,13535 ccw(c13551.72,13583.28) 13585.86,13549.14 cw(c13551.72,13583.28) 13551.72,13535 ; 13650.86,13499.14 cw(c13616.72,13465) 13665,13465 ccw(c13616.72,13465) 13650.86,13499.14 ; 13650.86,13499.14 ccw(c13685,13533.28) 13685,13485 cw(c13685,13533.28) 13650.86,13499.14 ; 13719.14,13430.86 cw(c13753.28,13465) 13705,13465 ccw(c13753.28,13465) 13719.14,13430.86 ; 13719.14,13430.86 ccw(c13685,13396.72) 13685,13445 cw(c13685,13396.72) 13719.14,13430.86 ; 13719.88,15265.12 cw(c13754.76,15300) 13705.43,15300 ccw(c13754.76,15300) 13719.88,15265.12 ; 13719.88,15265.12 ccw(c13685,15230.24) 13685,15279.57 cw(c13685,15230.24) 13719.88,15265.12 ; 13740,15121.21 cw(c13703.79,15121.21) 13729.39,15095.61 ccw(c13703.79,15121.21) 13740,15121.21 ; 13740,15121.21 ccw(c13776.21,15121.21) 13750.61,15095.61 cw(c13776.21,15121.21) 13740,15121.21 ; pad.16@13805,13370 cw(c13805,13430.36) 13762.32,13387.68 ccw(c13805,13430.36) pad.16@13805,13370 ; pad.16@13805,13370 ccw(c13805,13418.28) 13839.14,13384.14 ; pad.16@13805,13370 ccw(c13805,13418.28) 13839.14,13384.14 ; 13839.14,13384.14 ccw(c13873.28,13350) 13825,13350 cw(c13873.28,13350) 13839.14,13384.14 ; 13940,15121.21 cw(c13903.79,15121.21) 13929.39,15095.61 ccw(c13903.79,15121.21) 13940,15121.21 ; 13940,15121.21 ccw(c13976.21,15121.21) 13950.61,15095.61 cw(c13976.21,15121.21) 13940,15121.21 ; 13990.67,15415 cw(c13990.67,15365.67) 14025.55,15400.55 ccw(c13990.67,15365.67) 13990.67,15415 ; 13990.67,15415 ccw(c13990.67,15464.33) 14025.55,15429.45 cw(c13990.67,15464.33) 13990.67,15415 ; pad.6@14022.32,12201.32 ccw(c13965.16,12144.16) 13965.16,12225 cw(c13965.16,12144.16) pad.6@14022.32,12201.32 ; pad.6@14022.32,12201.32 cw(c13979.64,12158.64) 14040,12158.64 ; pad.6@14022.32,12201.32 cw(c13979.64,12158.64) 14040,12158.64 ; 14040,12158.64 cw(c14100.36,12158.64) 14057.68,12201.32 ccw(c14100.36,12158.64) 14040,12158.64 ; 14040,14938.79 cw(c14076.21,14938.79) 14050.61,14964.39 ccw(c14076.21,14938.79) 14040,14938.79 ; 14040,14938.79 ccw(c14003.79,14938.79) 14029.39,14964.39 cw(c14003.79,14938.79) 14040,14938.79 ; 14290,14275.36 cw(c14229.64,14275.36) 14272.32,14232.68 ccw(c14229.64,14275.36) 14290,14275.36 ; 14290,14275.36 ccw(c14350.36,14275.36) 14307.68,14232.68 cw(c14350.36,14275.36) 14290,14275.36 ; 14849.71,11546.1 cw(c14849.71,11604.94) 14808.11,11563.33 ccw(c14849.71,11604.94) 14849.71,11546.1 ; 14849.71,11546.1 ccw(c14849.71,11487.27) 14808.11,11528.87 cw(c14849.71,11487.27) 14849.71,11546.1 ; 10973.18,12613.18 cw(c11050,12536.36) 11050,12645 ccw(c11050,12536.36) 10973.18,12613.18 ; pad.6@11067.68,12652.32 cw(c11105.53,12614.47) 11105.53,12668 ccw(c11105.53,12614.47) pad.6@11067.68,12652.32 ; pad.6@11067.68,12687.68 ccw(c11115.18,12735.18) 11115.18,12668 cw(c11115.18,12735.18) pad.6@11067.68,12687.68 ; pad.13@11275.86,14169.14 ccw(c11239.3,14205.7) 11291,14205.7 cw(c11239.3,14205.7) pad.13@11275.86,14169.14 ; 11291,14200.87 ccw(c11335.87,14200.87) 11304.14,14169.14 cw(c11335.87,14200.87) 11291,14200.87 ; C15.2@11613.94,13476.06 ccw(c11587.25,13502.75) 11625,13502.75 cw(c11587.25,13502.75) C15.2@11613.94,13476.06 ; 11625,13512.41 ccw(c11676.41,13512.41) 11640.06,13476.06 cw(c11676.41,13512.41) 11625,13512.41 ; 13170,13152.68 cw(c13265.3,13152.68) 13203.06,13224.85 ccw(c13265.3,13152.68) 13170,13152.68 ; pad.23@13190,13260 ccw(c13190,13296.21) 13215.61,13270.61 cw(c13190,13296.21) pad.23@13190,13260 ; pad.23@13210,13240 cw(c13270.36,13240) 13227.68,13282.68 ccw(c13270.36,13240) pad.23@13210,13240 ; 13291.72,13346.72 cw(c13360,13278.43) 13360,13375 ccw(c13360,13278.43) 13291.72,13346.72 ; 13318.79,13006.21 ccw(c13370,13057.43) 13370,12985 cw(c13370,13057.43) 13318.79,13006.21 ; 13412.32,12922.68 ccw(c13455,12965.36) 13455,12905 cw(c13455,12965.36) 13412.32,12922.68 ; 13424.39,12910.61 cw(c13398.79,12885) 13435,12885 ccw(c13398.79,12885) 13424.39,12910.61 ; pad.13@13467.93,13517.07 cw(c13511.21,13473.79) 13511.21,13535 ccw(c13511.21,13473.79) pad.13@13467.93,13517.07 ; pad.13@13489.14,13495.86 cw(c13583.64,13401.36) 13583.64,13535 ccw(c13583.64,13401.36) pad.13@13489.14,13495.86 ; 13580.5,12885 ccw(c13580.5,12984.5) 13650.86,12914.14 cw(c13580.5,12984.5) 13580.5,12885 ; pad.14@13600,13515 cw(c13600,13430.5) 13659.75,13490.25 ccw(c13600,13430.5) pad.14@13600,13515 ; C7.1@13670.55,15314.45 ccw(c13647.74,15337.26) 13680,15337.26 cw(c13647.74,15337.26) C7.1@13670.55,15314.45 ; 13680,15361.4 ccw(c13746.4,15361.4) 13699.45,15314.45 cw(c13746.4,15361.4) 13680,15361.4 ; 13774.39,13375.61 cw(c13748.79,13350) 13785,13350 ccw(c13748.79,13350) 13774.39,13375.61 ; 13994.13,12225 ccw(c13994.13,12264.87) 14022.32,12236.68 cw(c13994.13,12264.87) 13994.13,12225 ; RESET.2@14197.87,11569.37 ccw(c14197.87,11609.19) 14226.03,11581.03 cw(c14197.87,11609.19) RESET.2@14197.87,11569.37 ; RESET.2@14222.24,11545 cw(c14300.09,11545) 14245.04,11600.04 ccw(c14300.09,11545) RESET.2@14222.24,11545 ; C18.2@14358.76,13001.24 ccw(c14210.93,13149.07) 14420,13149.07 cw(c14210.93,13149.07) C18.2@14358.76,13001.24 ; C18.2@14379.98,12980.02 ccw(c14283.35,13076.65) 14420,13076.65 cw(c14283.35,13076.65) C18.2@14379.98,12980.02 ; 14401.19,12958.81 ccw(c14355.78,13004.22) 14420,13004.22 cw(c14355.78,13004.22) 14401.19,12958.81 ; 14420,13259.64 cw(c14480.36,13259.64) 14437.68,13302.32 ccw(c14480.36,13259.64) 14420,13259.64 ; 14518.67,12861.33 ccw(c14575,12917.67) 14575,12838 cw(c14575,12917.67) 14518.67,12861.33 ; 14904.91,11546.1 cw(c14904.91,11464.91) 14962.32,11522.32 ccw(c14904.91,11464.91) 14904.91,11546.1 ; 14934.38,11546.1 ccw(c14934.38,11585.62) 14962.32,11557.68 cw(c14934.38,11585.62) 14934.38,11546.1